# Altium PCB MLB_REV1.PcbDoc (part 1 of 4)
Units mm, origin at the board's own origin, x right, y up, seen from the top; angles counter-clockwise.
Board outline 150 x 100 mm, 4 copper layers (Top Layer, GND, Power, Bottom Layer), stack 0.603 mm thick; 296 components, 218 nets, 1001 pads, 657 vias.
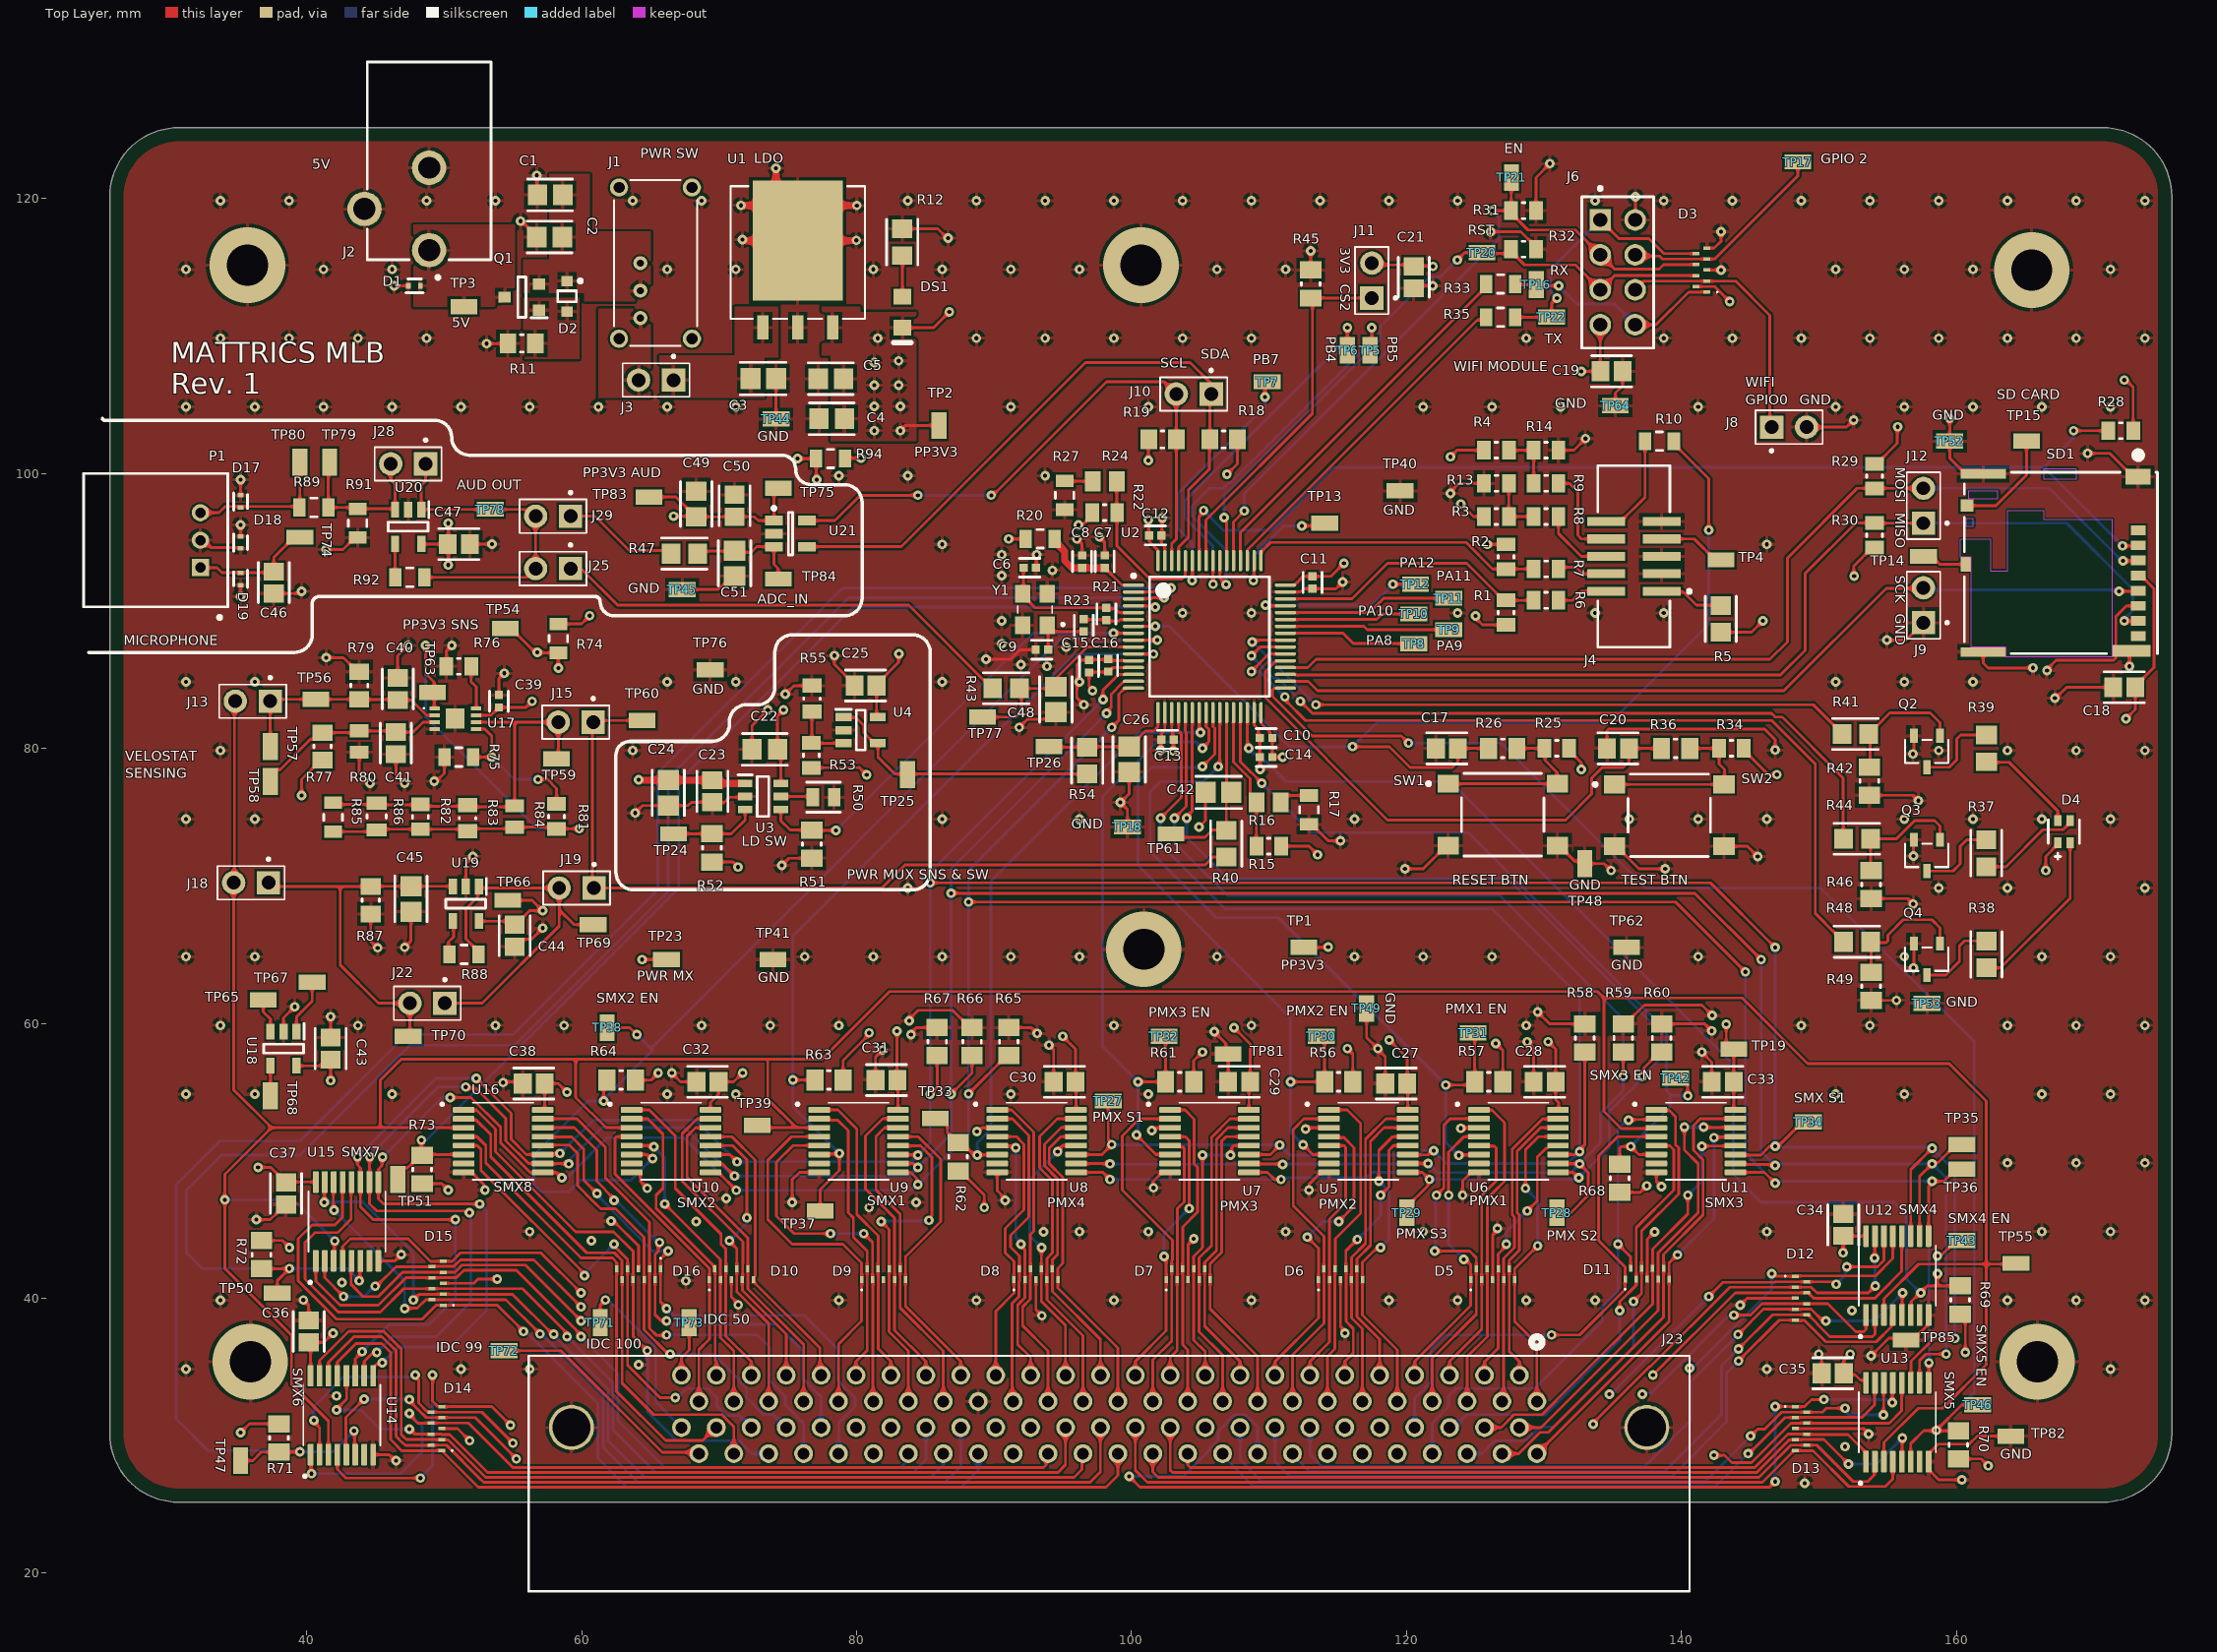
[diagram p0: Top Layer view]
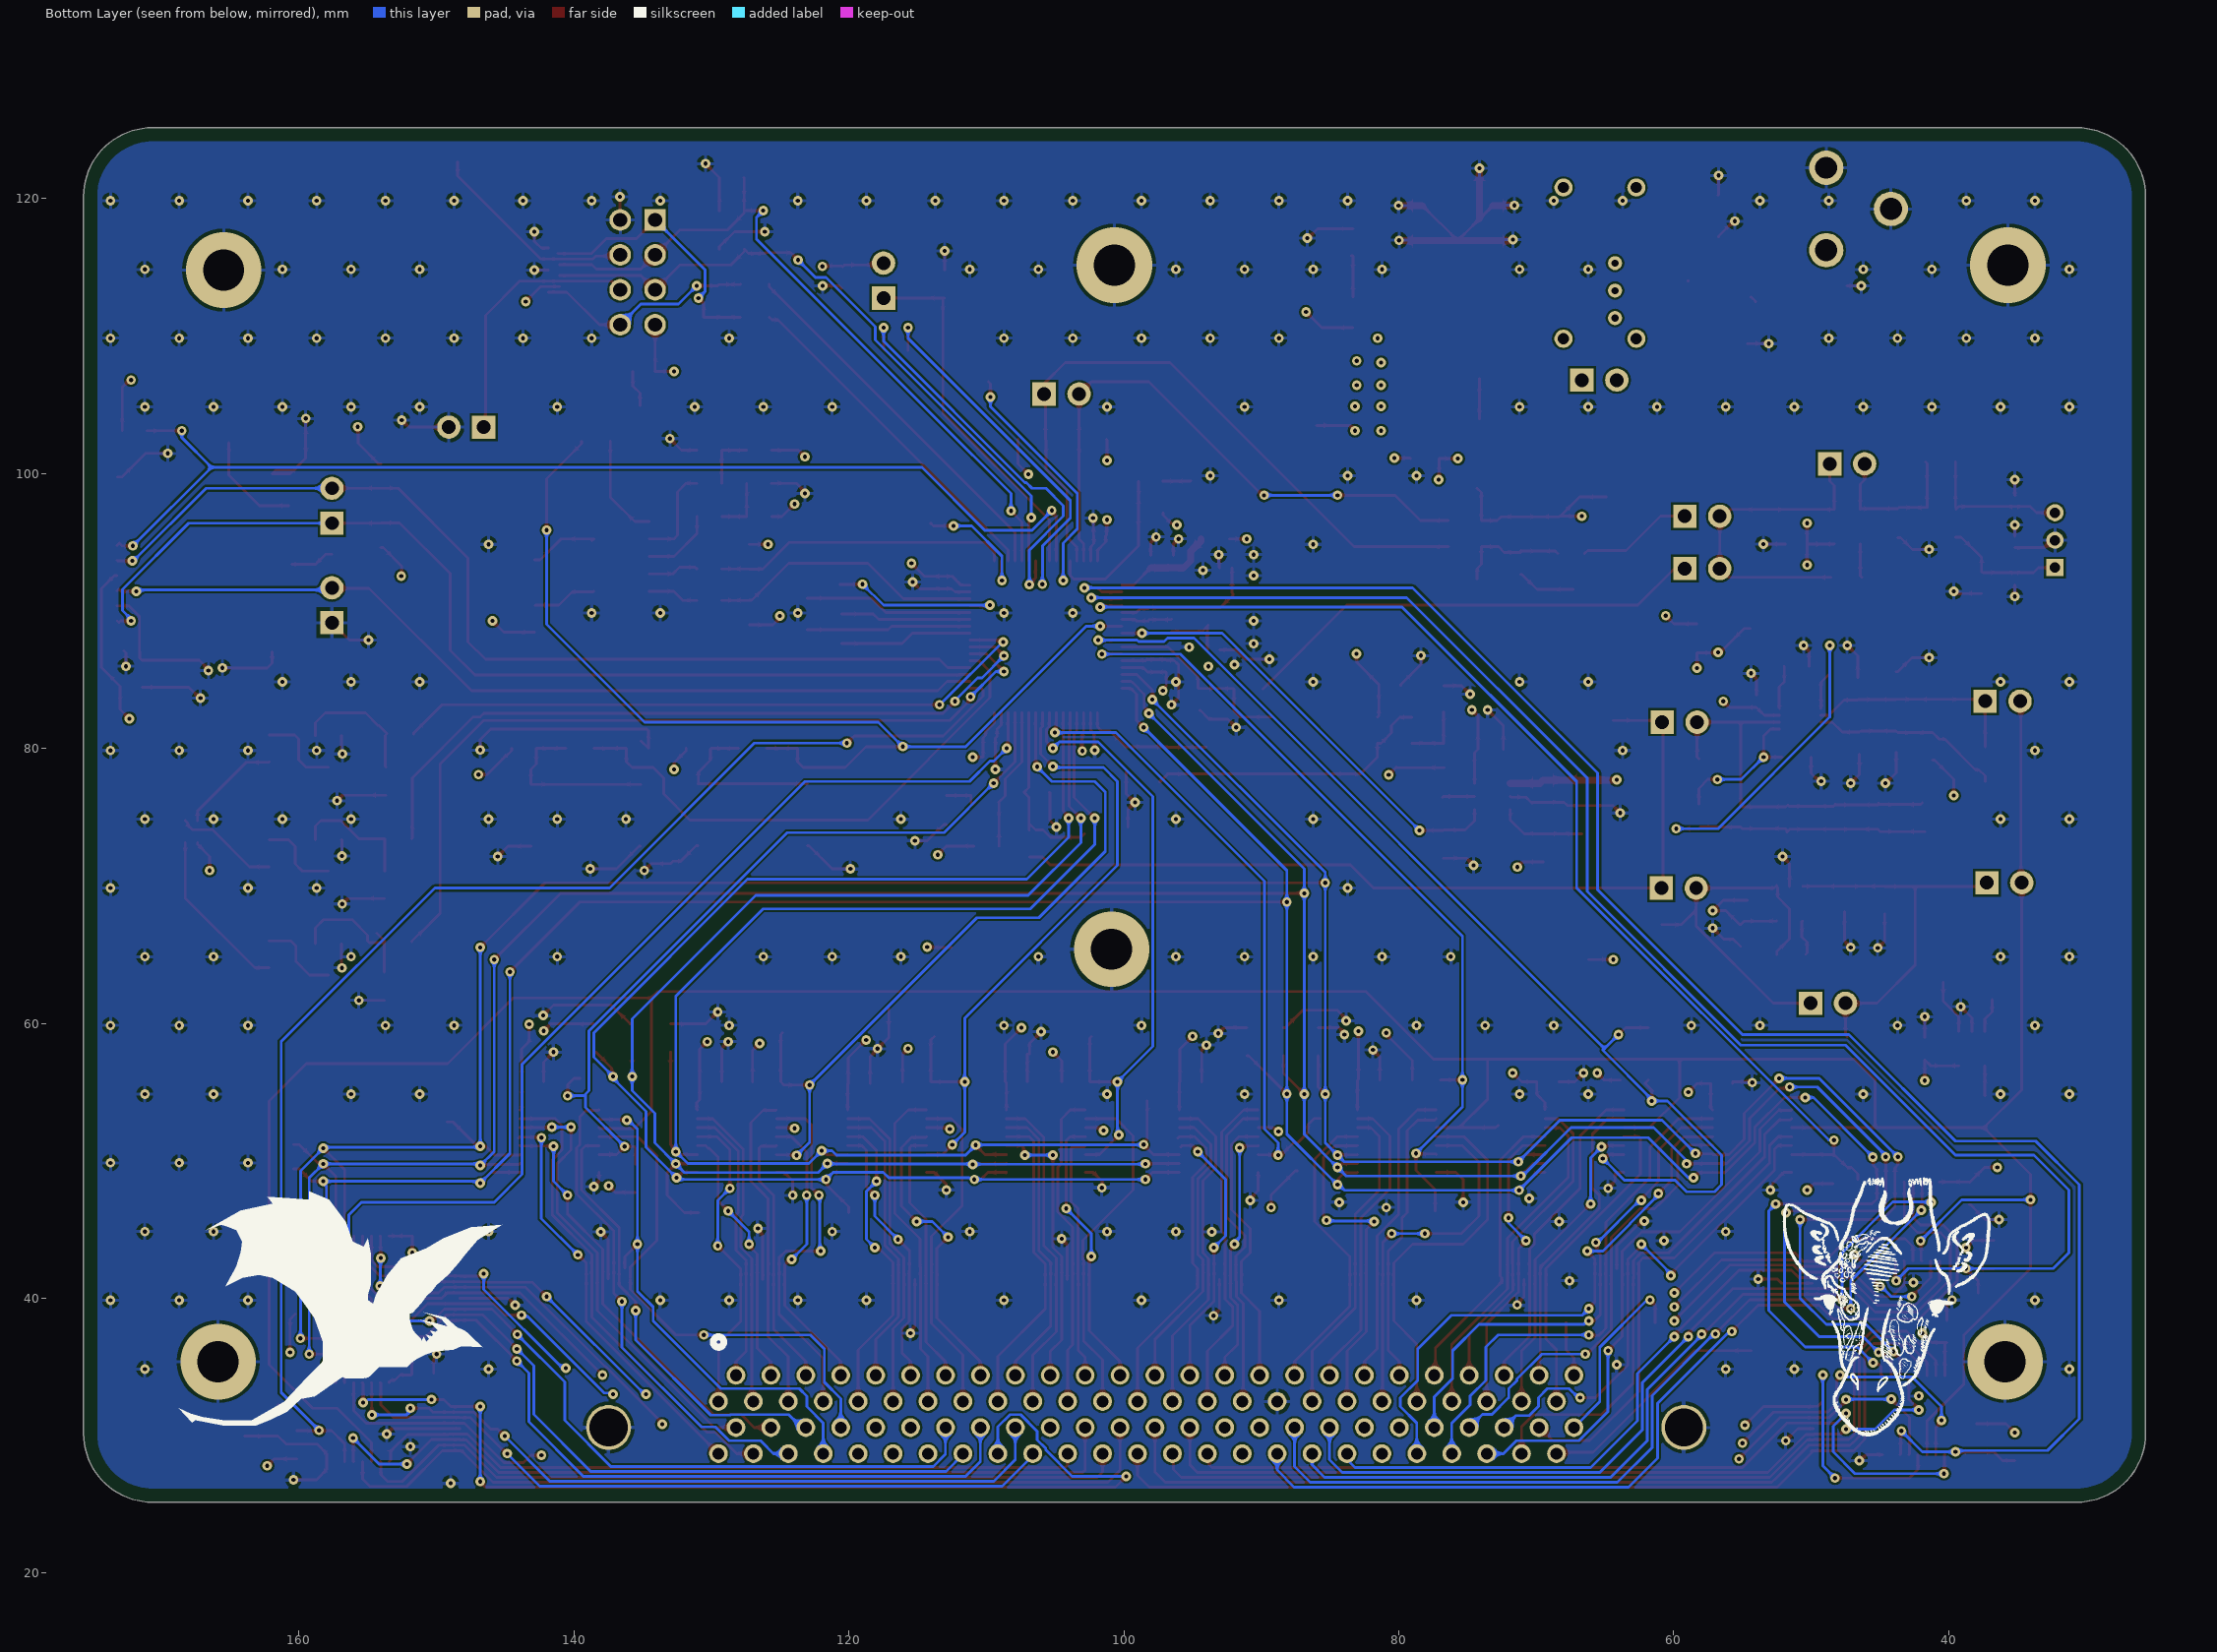
[diagram p1: Bottom Layer view, seen from below]
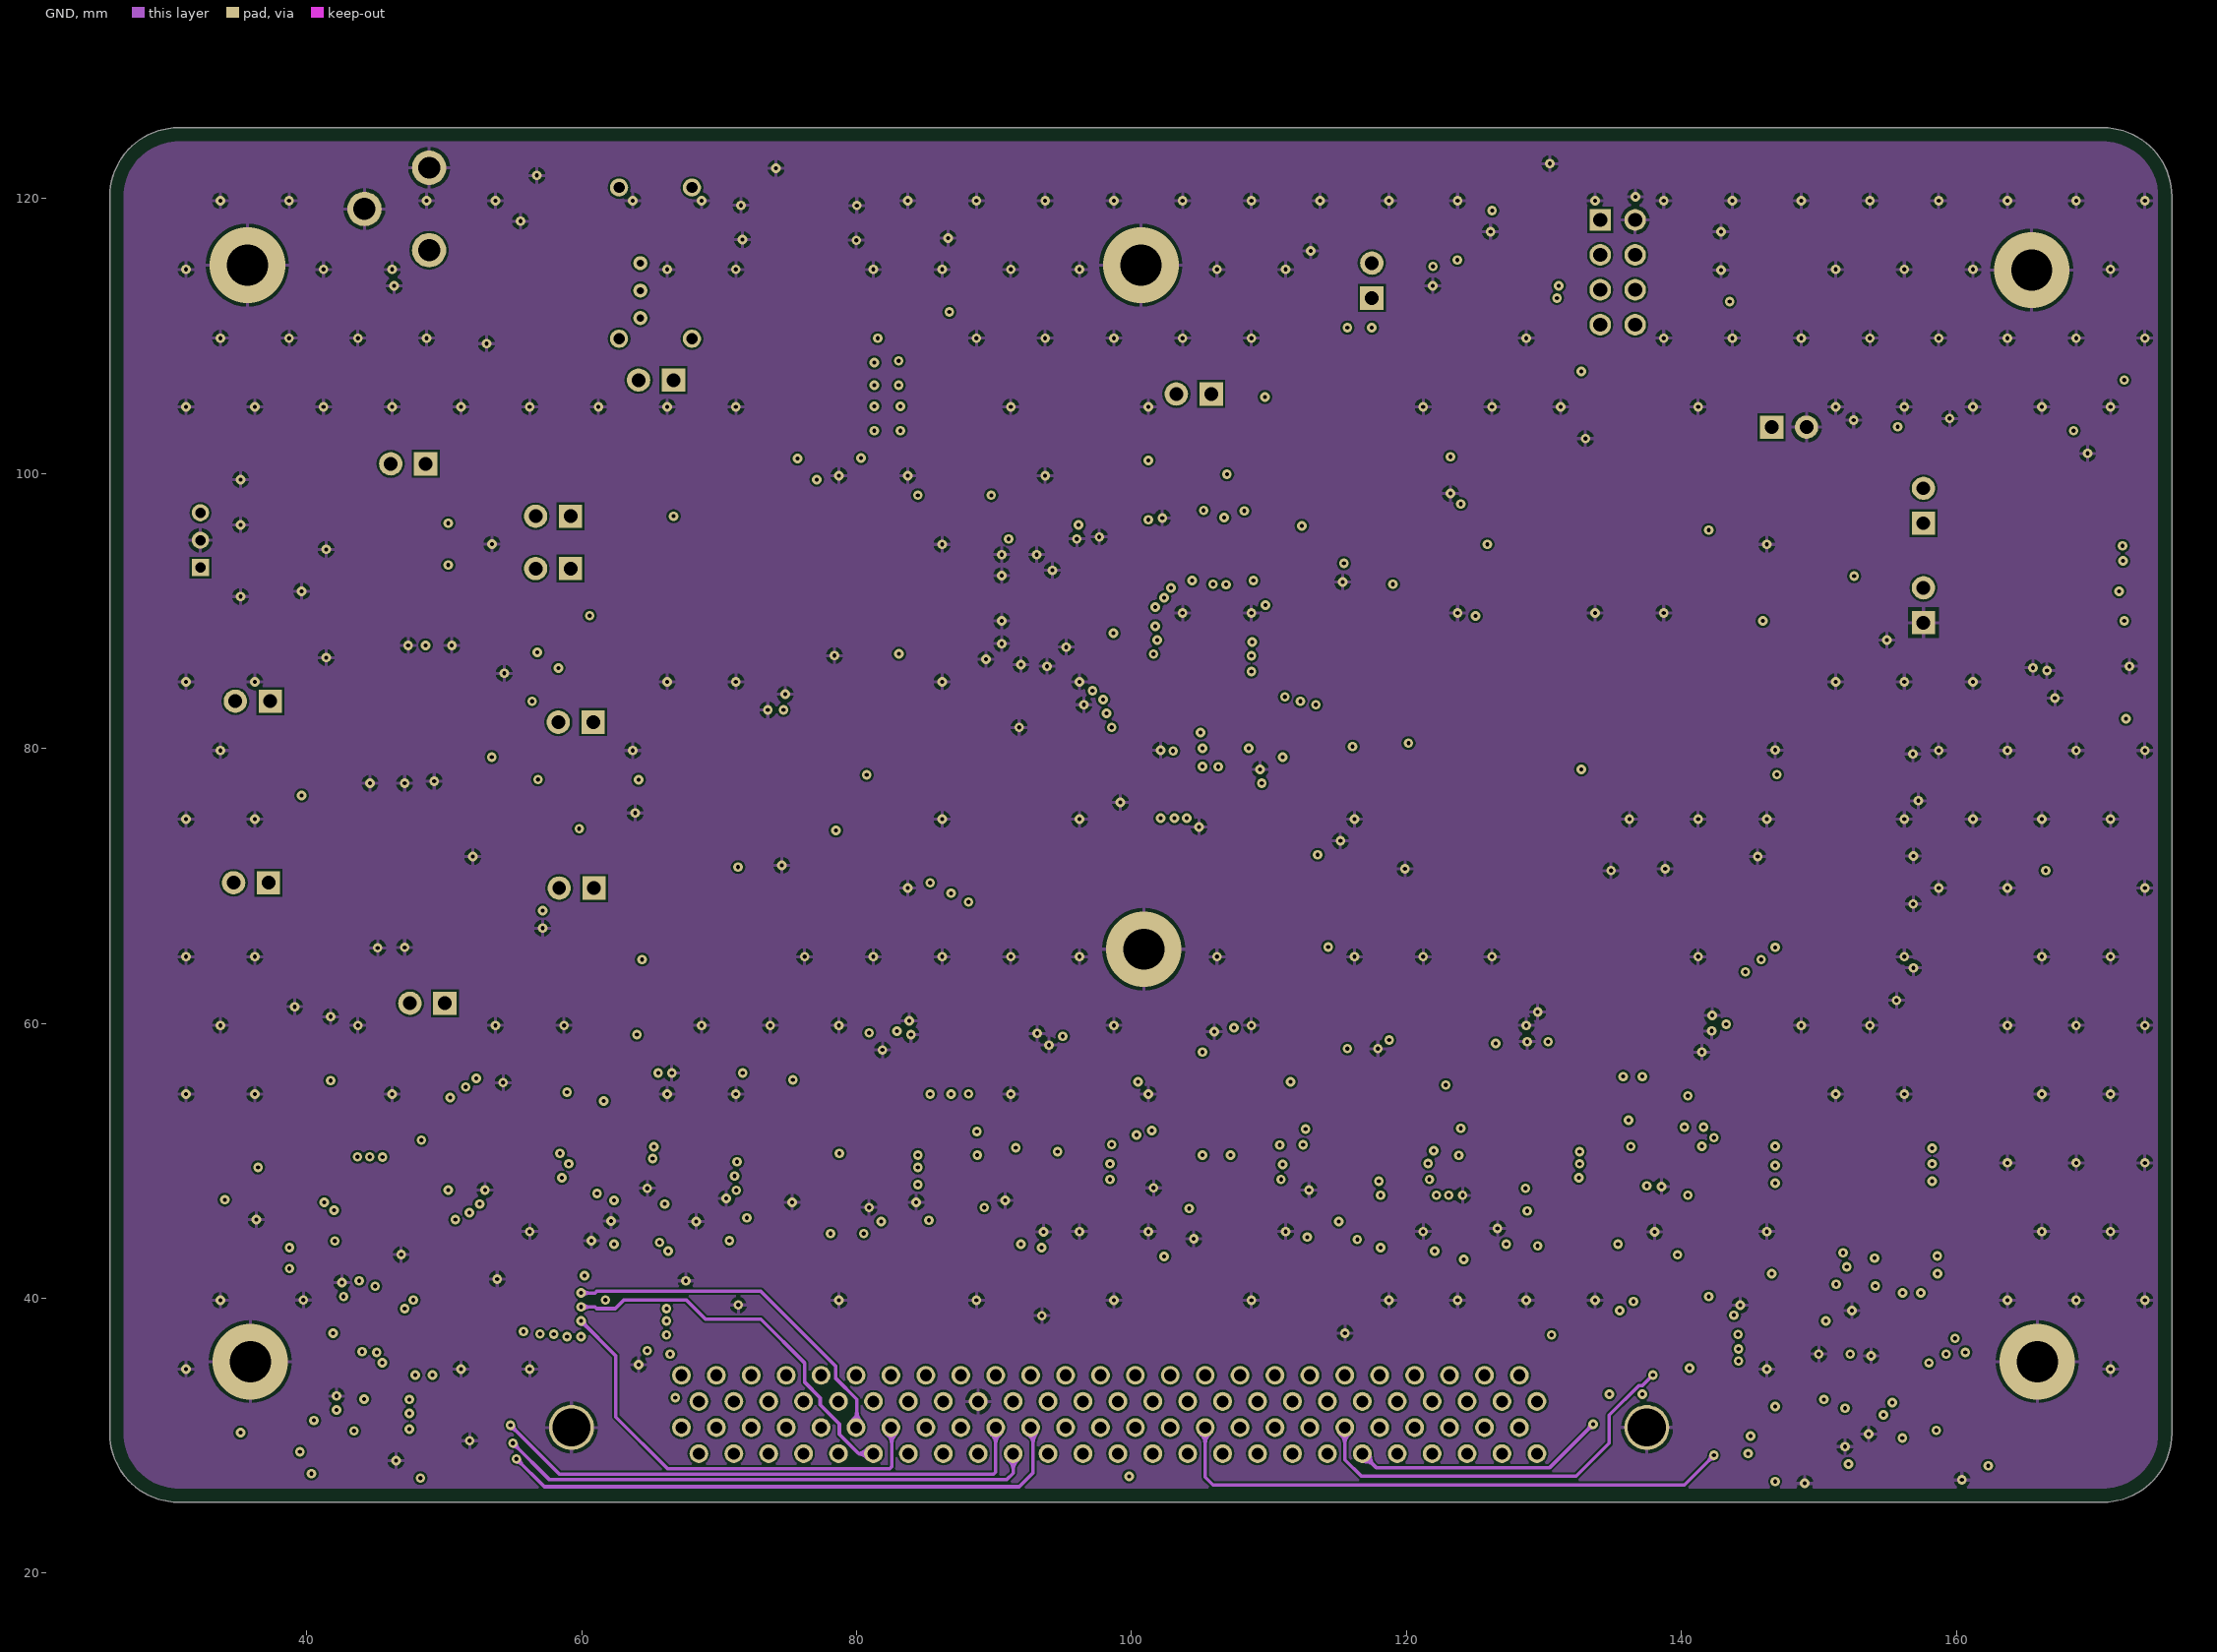
[diagram p2: GND]
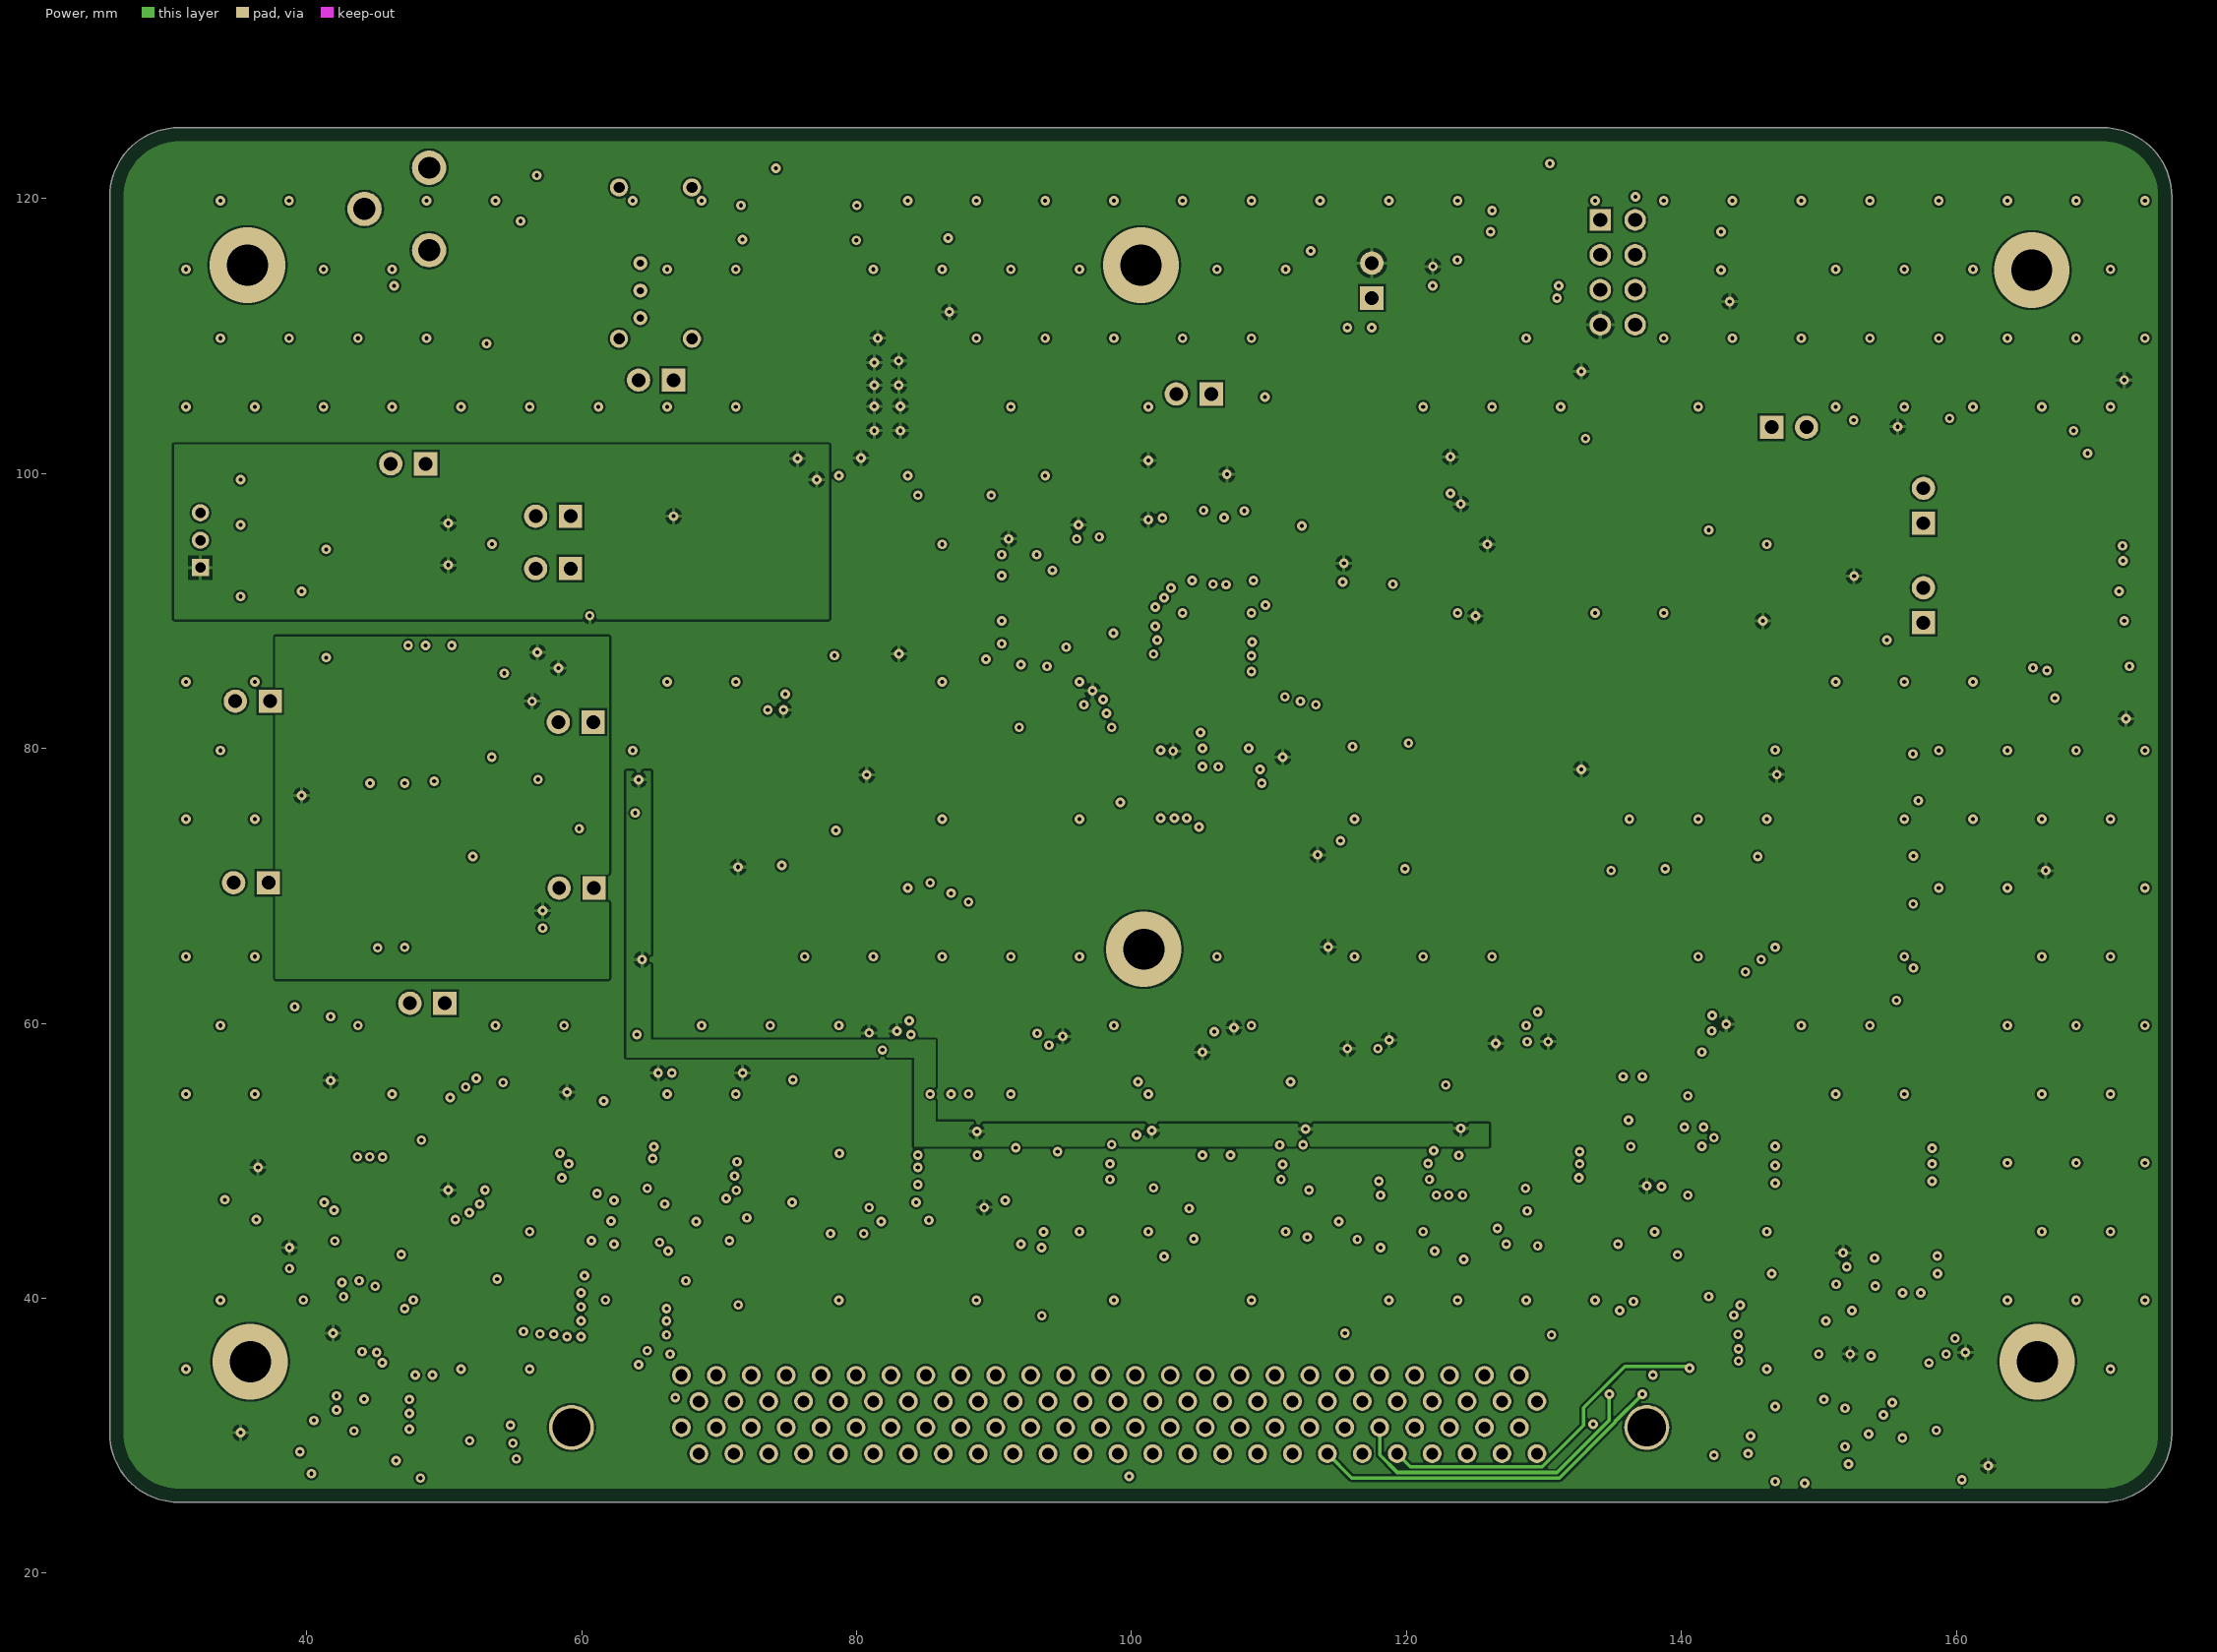
[diagram p3: Power]
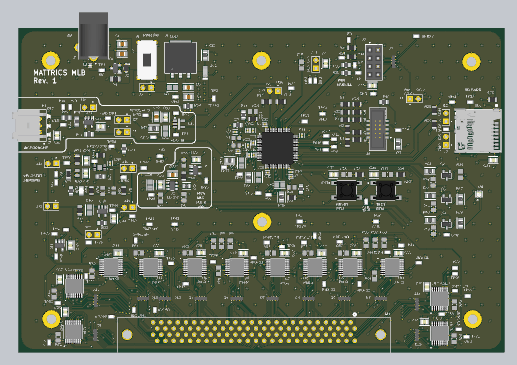
[diagram p7: 3D render of the assembled board from above, using the file's embedded part models]

## Layer stack, top to bottom
Top Solder: solder mask 0.0102, Solder Resist, Dk 3.5
Top Layer: signal copper 0.0356
Dielectric 2: prepreg 0.0711, PP-006, Dk 4.1
GND: signal copper 0.035
Dielectric 1: dielectric 0.32, FR-4, Dk 4.8
Power: signal copper 0.035
Dielectric 3: prepreg 0.0711, PP-006, Dk 4.1
Bottom Layer: signal copper 0.0356
Bottom Solder: solder mask 0.0102, Solder Resist, Dk 3.5

## Board outline
25.671,30.166 ccw(c30.671,30.166) 30.671,25.166 170.671,25.166 ccw(c170.671,30.166) 175.671,30.166 175.671,120.166 ccw(c170.671,120.166) 170.671,125.166 30.671,125.166 ccw(c30.671,120.166) 25.671,120.166

## Design rules (kind name [scope] priority, off if disabled: settings)
BoardOutlineClearance [All] p1: gap=1 ignorepadtopadclearanceinfootprint=FALSE except(0: Arc-SplitContinuation Track-SplitContinuation SMDPad-SplitContinuation THPad-SplitContinuation Via-SplitContinuation Fill-SplitContinuation Poly-SplitContinuation Region-SplitContinuation Text-SplitContinuation)
Clearance [All] p1: gap=0.152 ignorepadtopadclearanceinfootprint=FALSE
MinimumAnnularRing [All] p1: minimumring=0.178
PolygonConnect [All] p1: connectstyle=Relief reliefconductorwidth=0.254 reliefentries=4 polygonreliefangle="90 Angle" airgapwidth=0.254
RoutingVias [All] p1: holewidth=0.3 width=0.7 viastyle="Through Hole" minholewidth=0.3 minwidth=0.7 maxholewidth=0.711 maxwidth=1.27
SilkToSolderMaskClearance [IsPad] p1: minsilkscreentomaskgap=0.1 clearancetoexposedcopper=TRUE
SolderMaskExpansion [All] p1: expansion=0.102 istentingtop=FALSE
UnRoutedNet [All] p1: checkbadconnections=TRUE
Width [InNetClass('All Nets')] p1: maxlimit=0.508 minlimit=0.152 preferedwidth=0.254 toplayer_prefwidth=0.203 midlayer1_minwidth=0.254 midlayer1_maxwidth=0.254 midlayer2_minwidth=0.254 midlayer2_maxwidth=0.254 bottomlayer_prefwidth=0.203 minimp=50.000000 maximp=50.000000 favimp=50.000000
28 further rules are at their usual default settings.

## Classes and differential pairs
component class VELOSTAT_SENSING: C39 C40 C41 C42 C43 C44 C45 J13 J15 J18 J19 J22 R40 R74 R75 R76 R77 R79 R80 R81 R82 R83 R84 R85 R86 R87 R88 TP54 TP55 TP56 TP57 TP58 TP59 TP60 TP61 TP62 TP63 TP64 TP65 TP66 TP67 TP68 TP69 TP70 U17 U18 U19
component class SENSE_MUXES: C31 C32 C33 C34 C35 C36 C37 C38 R63 R64 R65 R66 R67 R68 R69 R70 R71 R72 R73 TP34 TP35 TP36 TP37 TP38 TP39 TP40 TP41 TP42 TP43 TP44 TP45 TP46 TP47 TP48 TP49 TP50 TP51 TP52 TP53 TP86 TP87 TP88 TP89 TP90 TP91 TP92 TP98 TP99 TP100 TP101 TP102 TP103 TP104 TP105 TP106 TP107 TP108 TP109 TP110 TP111 TP112 TP113 TP118 TP119 TP120 TP121 TP122 TP123 TP124 TP125 TP126 TP127 TP128 TP129 TP130 TP131 TP132 TP133 TP138 TP139 TP140 TP141 TP142 TP143 TP144 TP145 TP146 TP147 TP148 TP149 TP150 TP151 TP152 TP153 U9 U10 U11 U12 U13 U14 U15 U16
component class SD_CARD_WiFi: C18 C19 C20 C21 D3 D4 J6 J8 J9 J10 J11 J12 Q2 Q3 Q4 R28 R29 R30 R31 R32 R33 R34 R35 R36 R37 R38 R39 R41 R42 R44 R45 R46 R48 R49 SD1 SW2 TP14 TP15 TP16 TP17 TP18 TP19 TP20 TP21 TP22
component class POWER_MUXES: 3 C22 C23 C24 C25 C26 C27 C28 C29 C30 R50 R51 R52 R53 R54 R55 R56 R57 R58 R59 R60 R61 R62 TP23 TP24 TP25 TP26 TP27 TP28 TP29 TP30 TP31 TP32 TP33 U3 U4 U5 U6 U7 U8
component class POWER_MCU: C1 C2 C3 C4 C5 C6 C7 C8 C9 C10 C11 C12 C13 C14 C15 C16 C17 D1 D2 DS1 J1 J2 J3 J4 Q1 R1 R2 R3 R4 R5 R6 R7 R8 R9 R10 R11 R12 R13 R14 R15 R16 R17 R18 R19 R20 R21 R22 R23 R24 R25 R26 R27 SW1 TP1 TP2 TP3 TP4 TP5 TP6 TP7 TP8 TP9 TP10 TP11 TP12 TP13 U1 U2 Y1
component class MICROPHONE: C46 C47 C48 C49 C50 C51 D17 D18 D19 J24 J25 J28 J29 P1 R43 R47 R89 R91 R92 R94 TP74 TP75 TP76 TP77 TP78 TP79 TP80 TP81 TP82 TP83 TP84 TP85 TP179 TP180 TP184 TP191 TP192 TP193 TP194 U20 U21
component class MAT_CABLING_CONNECTOR: D5 D6 D7 D8 D9 D10 D11 D12 D13 D14 D15 D16 J23 TP71 TP72 TP73
